# Altium PCB PCB.PcbDoc (part 2 of 4)
Units mm, origin at the board's own origin, x right, y up, seen from the top; angles counter-clockwise.
Board outline 120 x 75 mm, 4 copper layers (Top, GND 1, Power 2, Bottom), stack 1.586 mm thick; 171 components, 182 nets, 885 pads, 530 vias.
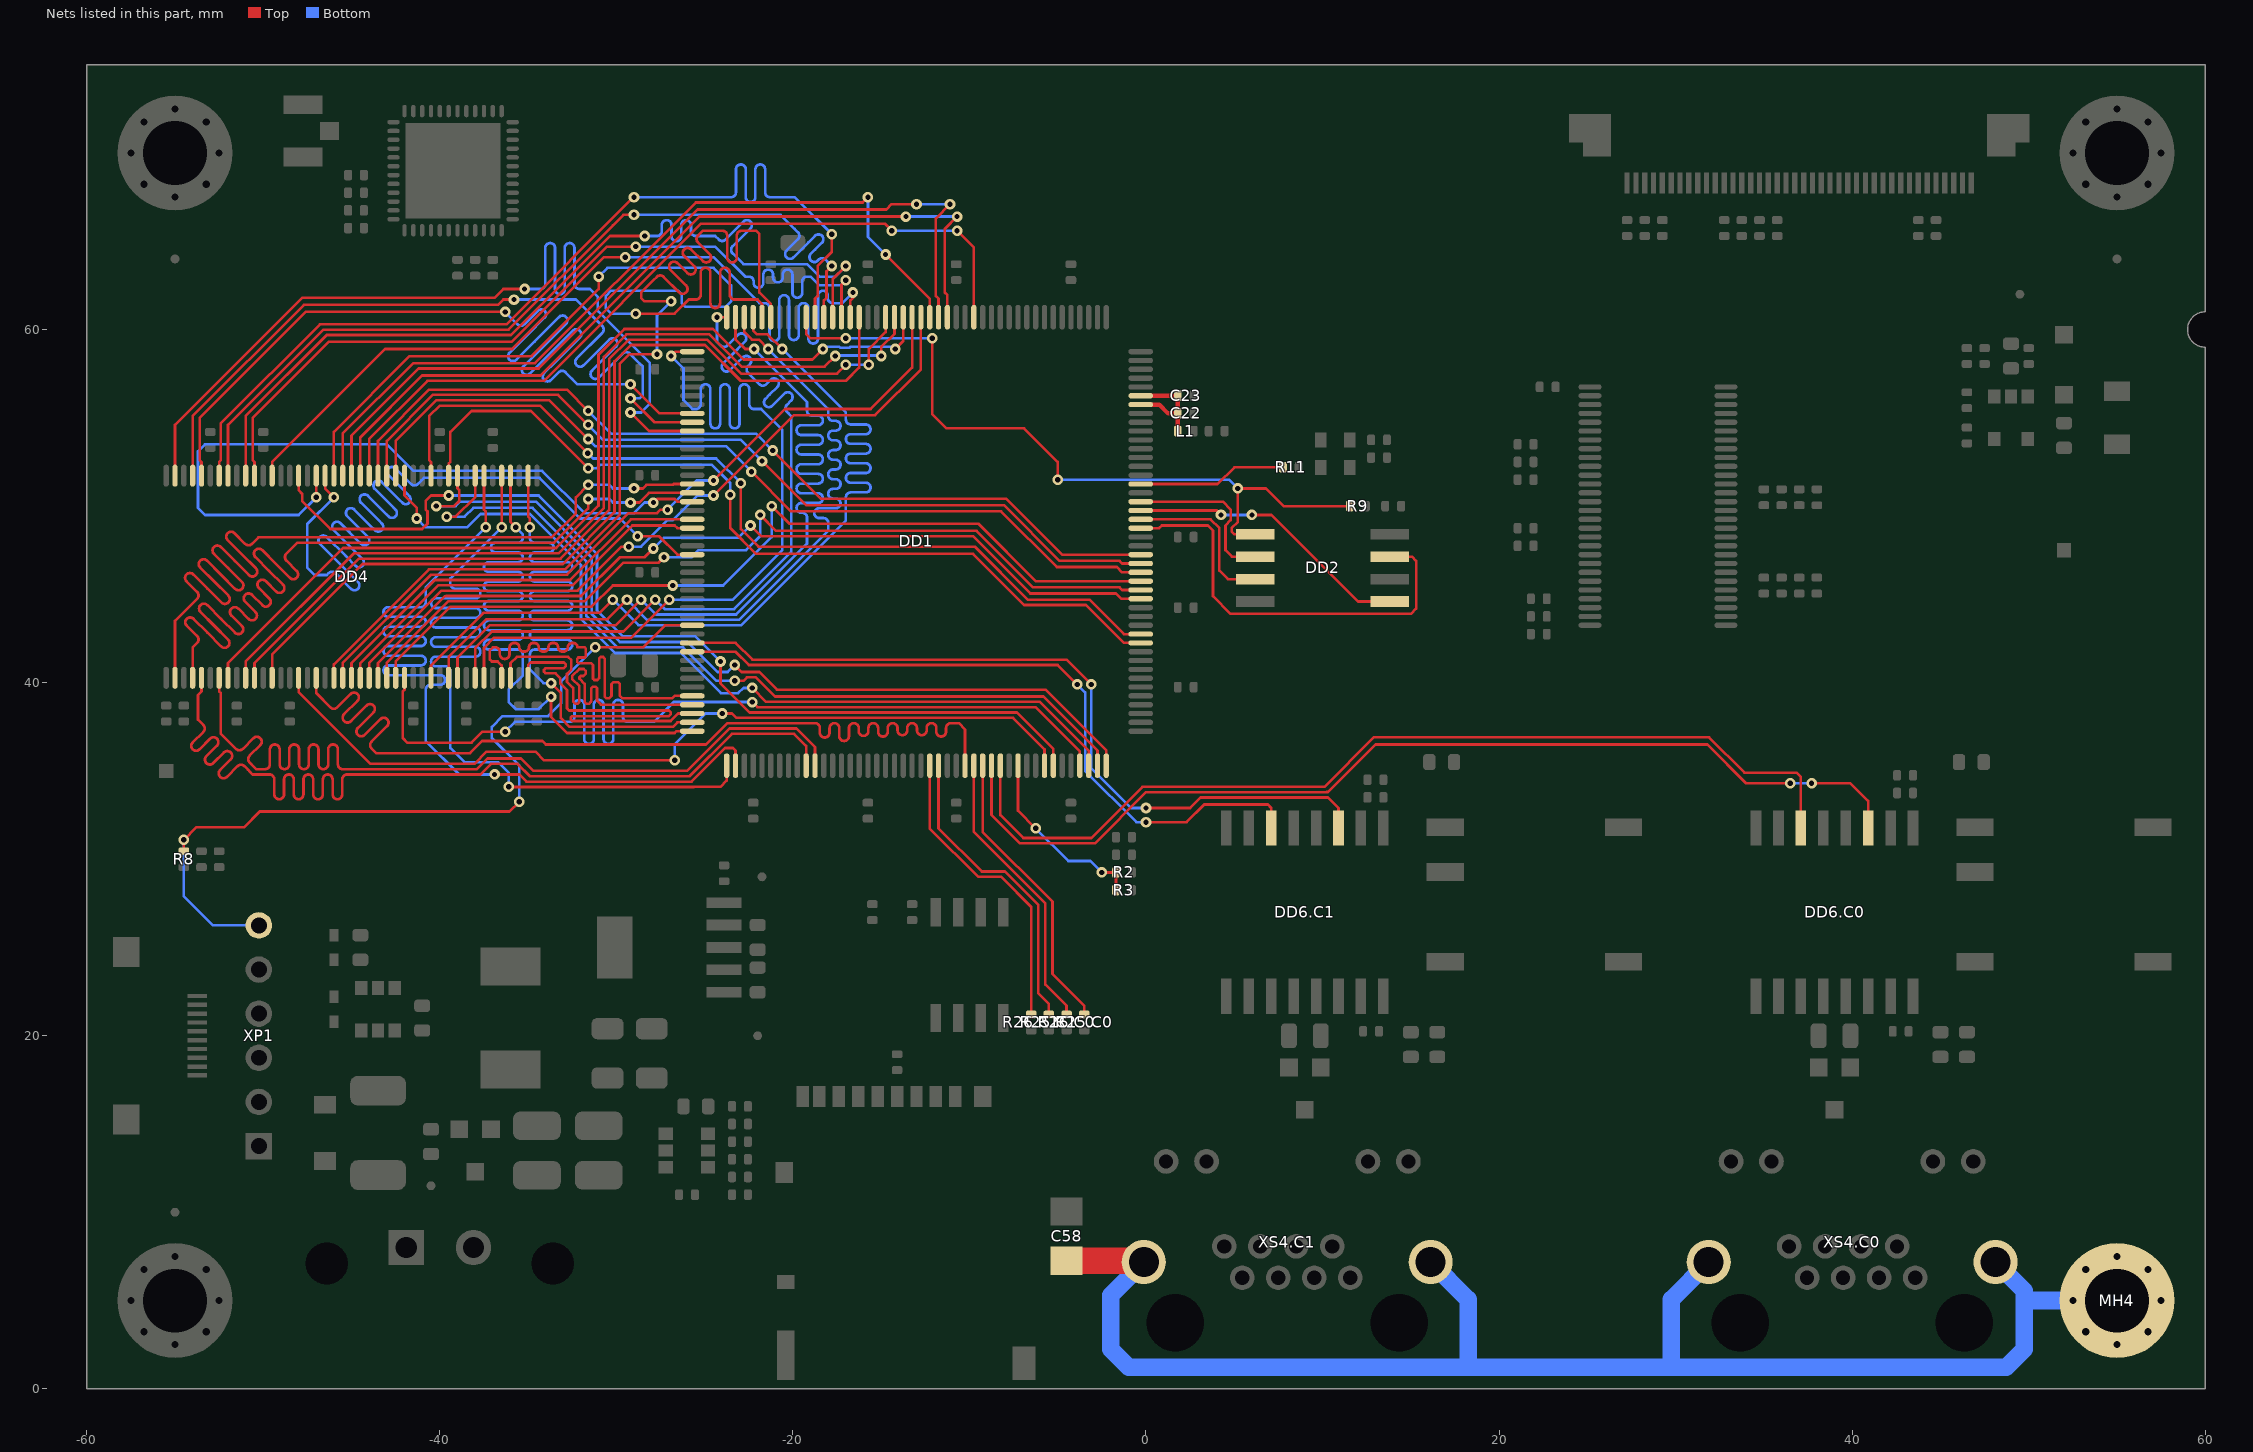
[diagram p4: the nets of this part, all layers, seen from the top]

## Part data (continued)
VT1: library part IRLML0030TRPBF, D-S On-Resistance=0.04omh, D-S Voltage=30V, Drain Current=5.3A, Gate Capacitance=382pF, Gate Threshold Voltage=2.3V, Manufacturer="International Rectifier", Total Power Dissipation=1.3W, Working Temperature Max=+150°С, Working Temperature Min=-55°С, Application Category=1, ClassName=DirectConnect, ID=27, Part Number=IRLML0030TRPBF, Published=24.09.2010, Publisher="Andrew Danich", Type=Транзистор
XP1: library part CWF-6R, Limit Current=3A, Limit Voltage=250V, Manufacturer="Ningbo Zhenqin Electronic", Working Temperature Max=+90°С, Working Temperature Min=-30°С, Application Category=1, Connector Type=Male, Functional Analog="DS1069-6 MR", ID=128, Part Number=CWF-6R, Pins=6, Pitch=2.5mm, Published=07.03.2013, Publisher="Andrew Danich", Surface Finish="Phosphor Bronze", Type=Вилка
XP2: library part 1827868, Limit Current=8A, Limit Voltage=300V, Manufacturer="Phoenix Contact", Working Temperature Max=+100°С, Working Temperature Min=-40°С, Application Category=1, ClassName=DirectConnect, Functional Analog="ECH381RM-02P, WJ15EDGRM-3.81-2P", ID=23, Part Number=1827868, Pins=2, Pitch=3.81mm, Published=07.03.2013, Publisher="Andrew Danich", Surface Finish="Brass, tin-plated", Type=Вилка, Wire Range=-
XS1: library part XF2M-1015-1A, Limit Current=500mA, Limit Voltage=50V, Manufacturer="Omron Electronics", Resistance=0.05ohm, Working Temperature Max=+85°С, Working Temperature Min=-30°С, Application Category=1, Connector Type=Female, ID=7, Part Number=XF2M-1015-1A, Pins=10, Pitch=0.5mm, Published=07.09.2015, Publisher="Viktor Klishin", Series=FPC, Type=Розетка
XS2: Limit Voltage=125V, Manufacturer="Hirose Connector", Working Temperature Max=+85°С, Working Temperature Min=-25°С, Application Category=1, Connector Type="microSD Card", ID=5, Interface=SPI\SDIO, Part Number=DM3AT-SF-PEJM5, Pins=10, Pitch=1.1mm, Published=14.03.2019, Publisher="Andrew Danich", Style=Push-Push, Type=Розетка
XS3: library part 54104-4031, Limit Current=500mA, Limit Voltage=50V, Manufacturer=Molex, Working Temperature Max=+85°С, Working Temperature Min=-20°С, Application Category=1, Connector Type=Female, ID=13, Part Number=54104-4031, Pins=40, Pitch=0.5mm, Published=17.03.2018, Publisher="Andrew Danich", Series=FFC\FPC, Type=Розетка
XS4.C0 XS4.C1: library part 615008137421, Limit Current=1.5A, Limit Voltage=120V, Manufacturer="Wurth Elektronik", Working Temperature Max=+85°С, Working Temperature Min=-40°С, Application Category=1, Functional Analog="DS1128-09-S8B8S, TJ18-L8P8C-5", ID=43, Interface=Ethernet/Int.Trans., Leds=Yellow/Green, Max Data Rate=1Gbs, Part Number=615008137421, Pins=12, PoE=Yes, Published=20.05.2020, Publisher="Andrew Danich", Type=Розетка
XW1: library part 1909763-1, Frequency Band=6GHz, Manufacturer="TE Connectivity", Wave Resistance=50ohm, Working Temperature Max=+90°С, Working Temperature Min=-40°С, Application Category=1, ClassName=DirectConnect, Connector Type=Male, ID=3, Part Number=1909763-1, Pins=3, Published=19.09.2015, Publisher="НТЦ \"Вектор\"", Surface Finish=Gold, Type=Вилка

## Via types
v1: diameter 0.6, hole 0.3, Top to Bottom, tented both sides, 505 vias
v2: diameter 0.6, hole 0.3, Top to Bottom, 25 vias

## Nets (pads, with @x,y where several pads share a name; then routed paths per layer and width w, separated by ;. In a path a pad name is that pad's centre, name@x,y a point inside that pad or via, vN(x,y) a via of type N, cw(c..) or ccw(c..) an arc to the next point about the centre after c; other vN are vias at no path point)
ADDR0: DD1.16 DD4.25 | length 49
  Top w0.15: DD4.25@-43.5,40.275 -43.5,41.1 -39.7,44.9 -39.655,44.9 -39.651,44.905 -31.995,44.905 -29.798,47.102 -28.398,47.102 v1(-27.9,47.6) ; v1(-22.4,48.9) -21.8,48.3 -9.8,48.3 -6.55,45.05 -1.7,45.05 -1.4,44.75 DD1.16@-0.3,44.75
  Bottom w0.15: v1(-27.9,47.6) -27.3,48.2 -23.1,48.2 v1(-22.4,48.9)
ADDR1: DD1.17 DD4.26 | length 49.5
  Top w0.15: DD4.26@-43,40.275 -43,41.128 -39.525,44.602 -31.798,44.602 -29.6,46.8 -27.6,46.8 v1(-27.3,47.1) ; v1(-21.85,49.5) -20.952,48.602 -9.602,48.602 -6.4,45.4 -1.5,45.4 -1.35,45.25 DD1.17@-0.3,45.25
  Bottom w0.15: v1(-27.3,47.1) -25.75,47.1 -25.35,47.5 -22.65,47.5 -21.85,48.3 v1(-21.85,49.5)
ADDR2: DD1.18 DD4.27 | length 49.6
  Top w0.15: DD4.27@-42.5,40.275 -42.5,41.2 -39.4,44.3 -31.4,44.3 -30.2,45.5 v1(-26.8,45.5) ; v1(-21.2,50) -20.2,49 -9.5,49 -6.25,45.75 DD1.18@-0.3,45.75
  Bottom w0.15: v1(-26.8,45.5) -23.95,45.5 -21.2,48.25 v1(-21.2,50)
ADDR3: DD1.19 DD4.60 | length 49.2
  Top w0.15: DD4.60@-42.5,51.725 -42.5,53.7 -40.205,55.995 -33.795,55.995 v1(-31.6,53.8) ; v1(-22.35,51.95) -20.1,49.7 -8.2,49.7 -5.05,46.55 -1.65,46.55 -1.35,46.25 DD1.19@-0.3,46.25
  Bottom w0.15: v1(-31.6,53.8) -31.2,53.4 -23.8,53.4 v1(-22.35,51.95)
ADDR4: DD1.20 DD4.61 | length 49.7
  Top w0.15: DD4.61@-43,51.725 -43,53.7 -40.402,56.298 -33.298,56.298 v1(-31.6,54.6) ; v1(-21.75,52.55) -19.25,50.05 -8.05,50.05 -4.9,46.9 -1.5,46.9 -1.35,46.75 DD1.20@-0.3,46.75
  Bottom w0.15: v1(-31.6,54.6) -30.75,53.75 -22.95,53.75 v1(-21.75,52.55)
ADDR5: DD1.21 DD4.62 | length 50.2
  Top w0.15: DD4.62@-43.5,51.725 -43.5,53.7 -40.6,56.6 -32.8,56.6 v1(-31.6,55.4) ; v1(-21.15,53.15) -18.407,50.407 -7.907,50.407 -4.75,47.25 DD1.21@-0.3,47.25
  Bottom w0.15: v1(-31.6,55.4) -30.3,54.1 -22.1,54.1 v1(-21.15,53.15)
ADDR6: DD1.60 DD4.63 | length 46
  Top w0.15: DD4.63@-44,51.725 -44,53.8 -40.702,57.098 -34.102,57.098 -25.202,65.998 -14.798,65.998 v1(-14.4,65.6) ; v1@-14.4,65.5 v1@-14.25,65.5 ; v1(-10.7,65.6) -9.75,64.65 DD1.60@-9.75,60.7
  Bottom w0.15: v1(-14.4,65.6) v1(-10.7,65.6)
ADDR7: DD1.63 DD4.64 | length 47.2
  Top w0.15: DD4.64@-44.5,51.725 -44.5,53.9 -41,57.4 -34.3,57.4 -25.3,66.4 v1(-13.6,66.4) ; DD1.63@-11.25,60.7 -11.25,61.95 -11.4,62.1 -11.4,65.7 v1(-10.7,66.4)
  Bottom w0.15: v1(-13.6,66.4) v1(-10.7,66.4)
ADDR8: DD1.64 DD4.65 | length 48.4
  Top w0.15: DD4.65@-45,51.725 -45,54 -41.202,57.798 -34.402,57.798 -25.4,66.8 -14.704,66.8 -14.404,67.1 v1(-13,67.1) ; DD1.64@-11.75,60.7 -11.75,61.75 -11.9,61.9 -11.9,66.3 v1(-11.1,67.1)
  Bottom w0.15: v1(-13,67.1) v1(-11.1,67.1)
ADDR9: DD1.65 DD4.66 | length 45.9
  Top w0.15: DD4.66@-45.5,51.725 -45.5,54.1 -41.5,58.1 -34.6,58.1 -25.5,67.2 -16.05,67.2 v1(-15.75,67.5) ; v1(-14.75,64.25) -12.25,61.75 DD1.65@-12.25,60.7
  Bottom w0.15: v1(-15.75,67.5) -15.75,65.25 v1(-14.75,64.25)
ADDR10: DD1.66 DD4.24 | length 41.9
  Top w0.15: DD4.24@-44,40.275 -44,41.1 -39.893,45.207 -32.193,45.207 -29.7,47.7 v1(-29.3,47.7) ; v1(-24.5,50.6) -19.95,55.15 -15.35,55.15 -12.75,57.75 DD1.66@-12.75,60.7
  Bottom w0.15: v1(-29.3,47.7) -28.6,47.7 -27.1,49.2 -26.8,49.2 -25.4,50.6 v1(-24.5,50.6)
ADDR11: DD1.67 DD4.21 | length 42.9
  Top w0.15: DD4.21@-45.5,40.275 -45.5,41.1 -40.486,46.114 -32.786,46.114 -29.3,49.6 -27.7,49.6 -27.5,49.8 v1(-27.1,49.8) ; v1(-24.5,51.45) -20.45,55.5 -15.6,55.5 -13.25,57.85 DD1.67@-13.25,60.7
  Bottom w0.15: v1(-27.1,49.8) -25.45,51.45 v1(-24.5,51.45)
ADDR12: DD1.106 DD4.69 | length 41.9
  Top w0.15: v1(-47,50.5) DD4.69@-47,51.725 ; v1(-27.9,50.2) -27.7,50.4 -26.7,50.4 -26.55,50.25 DD1.106@-25.7,50.25
  Bottom w0.15: v1(-47,50.5) -48,49.5 -53.3,49.5 -53.7,49.9 -53.7,53.1 -53.3,53.5 -43,53.5 -41.5,52 -34.2,52 -31.8,49.6 -29,49.6 -28.4,50.2 v1(-27.9,50.2)
AVCC3P3: C22.1 C23.1 DD1.38 DD1.39 L1.2 | length 6.4
  Top w0.25: DD1.38@-0.3,55.75 0.75,55.75 1.25,55.25 C22.1@1.8,55.25 ; DD1.39@-0.3,56.25 C23.1@1.8,56.25 C22.1@1.8,55.25 ; L1.2@1.798,54.25 1.8,54.252 C22.1@1.8,55.25
BA0: DD1.108 DD4.22 | length 23.5
  Top w0.15: DD4.22@-45,40.275 -45,41.1 -40.288,45.812 -32.616,45.812 -29.178,49.25 DD1.108@-25.7,49.25
BA1: DD1.109 DD4.23 | length 22.9
  Top w0.15: DD4.23@-44.5,40.275 -44.5,41.1 -40.09,45.51 -32.49,45.51 -29.1,48.9 -26.7,48.9 -26.55,48.75 DD1.109@-25.7,48.75
BOOT0: DD1.166 R2.1 R3.1 | length 10.5
  Top w0.15: DD1.166@-7.25,35.3 -7.25,32.75 v1(-6.25,31.75) ; v1(-2.5,29.25) R2.1@-1.7,29.25 R3.1@-1.7,28.25
  Bottom w0.15: v1(-6.25,31.75) -4.4,29.9 -3.15,29.9 v1(-2.5,29.25)
CAN_GLED0: DD1.162 R25.C0.1 | length 16.5
  Top w0.15: DD1.162@-9.25,35.3 -9.25,31.55 -5.3,27.6 -5.3,23.5 -3.5,21.7 R25.C0.1@-3.5,21.2
CAN_GLED1: DD1.157 R25.C1.1 | length 17.5
  Top w0.15: DD1.157@-11.75,35.3 -11.75,31.75 -9.3,29.3 -8,29.3 -6.1,27.4 -6.1,22.4 -5.5,21.8 R25.C1.1@-5.5,21.2
CAN_RX0: DD1.163 DD6.C0.3 | length 58.3
  Top w0.15: DD1.163@-8.75,35.3 -8.75,32.5 -7.15,30.9 -2.9,30.9 -0.002,33.798 10.225,33.798 10.23,33.802 10.302,33.802 13,36.5 31.8,36.5 34,34.3 v1(36.5,34.3) ; v1(37.7,34.3) 39.9,34.3 40.905,33.295 DD6.C0.3@40.905,31.762
  Bottom w0.15: v1(36.5,34.3) v1(37.7,34.3)
CAN_RX1: DD1.122 DD6.C1.3 | length 44.9
  Top w0.15: DD1.122@-25.7,42.25 -23.25,42.25 -22.302,41.302 -4.502,41.302 v1(-3.1,39.9) ; v1(0,32.9) 2.5,32.9 3.095,33.495 10.305,33.495 10.905,32.895 DD6.C1.3@10.905,31.762
  Bottom w0.15: v1(-3.1,39.9) -3.1,35.15 -0.85,32.9 v1(0,32.9)
CAN_TX0: DD1.164 DD6.C0.6 | length 54.9
  Top w0.15: DD1.164@-8.25,35.3 -8.25,32.5 -6.952,31.202 -3.098,31.202 -0.2,34.1 10.1,34.1 12.9,36.9 31.9,36.9 33.9,34.9 36.85,34.9 37.095,34.655 DD6.C0.6@37.095,31.762
CAN_TX1: DD1.123 DD6.C1.6 | length 41
  Top w0.15: DD1.123@-25.7,41.75 -23.25,41.75 -22.5,41 -5,41 v1(-3.9,39.9) ; v1(0,32.1) 2.3,32.1 3.3,33.1 6.9,33.1 7.095,32.905 DD6.C1.6@7.095,31.762
  Bottom w0.15: v1(-3.9,39.9) -3.45,39.45 -3.45,35 -0.55,32.1 v1(0,32.1)
CAN_YLED0: DD1.161 R26.C0.1 | length 16.3
  Top w0.15: DD1.161@-9.75,35.3 -9.75,31.55 -5.7,27.5 -5.7,22.9 -4.5,21.7 R26.C0.1@-4.5,21.2
CAN_YLED1: DD1.156 R26.C1.1 | length 17.2
  Top w0.15: DD1.156@-12.25,35.3 -12.25,31.75 -9.5,29 -9.428,29 -9.425,28.998 -8.198,28.998 -6.5,27.3 R26.C1.1@-6.5,21.2
CAS_N: DD1.160 DD4.18 | length 58.6
  Top w0.15: DD4.18@-47,40.275 -47,39.4 -46.2,38.6 ccw(c-46.006,38.794) -45.811,38.6 -45.054,39.357 cw(c-44.859,39.163) -44.665,39.357 cw(c-44.859,39.163) -44.665,38.969 -45.422,38.211 ccw(c-45.228,38.017) -45.422,37.822 ccw(c-45.228,38.017) -45.033,37.822 -44.149,38.706 cw(c-43.955,38.512) -43.76,38.706 cw(c-43.955,38.512) -43.76,38.317 -44.644,37.433 ccw(c-44.45,37.239) -44.644,37.044 ccw(c-44.45,37.239) -44.255,37.044 -43.372,37.928 cw(c-43.177,37.734) -42.983,37.928 cw(c-43.177,37.734) -42.983,37.539 -43.867,36.655 ccw(c-43.672,36.461) -43.867,36.267 -43.672,36.072 -43.607,36.007 -43.6,36.007 -38.293,36.007 -37.602,36.698 -34.198,36.698 -33.998,36.498 -24.919,36.498 -23.712,37.705 -19.3,37.705 -19.025,37.705 -18.75,37.705 cw(c-18.75,37.43) -18.475,37.43 -18.475,37.164 ccw(c-18.2,37.164) -18.2,36.889 ccw(c-18.2,37.164) -17.925,37.164 -17.925,37.43 cw(c-17.65,37.43) -17.65,37.705 cw(c-17.65,37.43) -17.375,37.43 -17.375,36.97 ccw(c-17.1,36.97) -17.1,36.695 ccw(c-17.1,36.97) -16.825,36.97 -16.825,37.43 cw(c-16.55,37.43) -16.55,37.705 cw(c-16.55,37.43) -16.275,37.43 -16.275,37.262 ccw(c-16,37.262) -16,36.987 ccw(c-16,37.262) -15.725,37.262 -15.725,37.43 cw(c-15.45,37.43) -15.45,37.705 cw(c-15.45,37.43) -15.175,37.43 -15.175,37.222 ccw(c-14.9,37.222) -14.9,36.947 ccw(c-14.9,37.222) -14.625,37.222 -14.625,37.43 cw(c-14.35,37.43) -14.35,37.705 cw(c-14.35,37.43) -14.075,37.43 -14.075,37.301 ccw(c-13.8,37.301) -13.8,37.026 ccw(c-13.8,37.301) -13.525,37.301 -13.525,37.43 cw(c-13.25,37.43) -13.25,37.705 cw(c-13.25,37.43) -12.975,37.43 -12.975,37.301 ccw(c-12.7,37.301) -12.7,37.026 ccw(c-12.7,37.301) -12.425,37.301 -12.425,37.43 cw(c-12.15,37.43) -12.15,37.705 cw(c-12.15,37.43) -11.875,37.43 -11.875,37.222 ccw(c-11.6,37.222) -11.6,36.947 ccw(c-11.6,37.222) -11.325,37.222 -11.325,37.43 cw(c-11.05,37.43) -11.05,37.705 -10.775,37.705 -10.605,37.705 -10.25,37.35 DD1.160@-10.25,35.3
CKE: DD1.84 DD4.67 | length 56.6
  Top w0.15: DD4.67@-46,51.725 -46,54.2 -41.705,58.495 -34.805,58.495 -31,62.3 v1(-31,63) ; v1(-28.9,60.9) -26.7,60.9 -25.9,61.7 -25.5,61.7 ccw(c-25.5,61.975) -25.225,61.975 -25.225,63.225 cw(c-24.95,63.225) -24.95,63.5 cw(c-24.95,63.225) -24.675,63.225 -24.675,61.7 -24.675,61.496 ccw(c-24.4,61.496) -24.4,61.221 ccw(c-24.4,61.496) -24.125,61.496 -24.125,61.7 -24.125,63.225 cw(c-23.85,63.225) -23.85,63.5 cw(c-23.85,63.225) -23.575,63.225 -23.575,61.975 ccw(c-23.3,61.975) -23.3,61.7 -23.025,61.7 -22.8,61.7 -22,61.7 -21.75,61.45 DD1.84@-21.75,60.7
  Bottom w0.15: v1(-31,63) -30.5,63.5 -24.5,63.5 -23.5,62.5 -23.5,61.6 -23.8,61.3 -26.1,61.3 -26.3,61.5 -26.3,62 -26.5,62.2 -30.3,62.2 -30.6,61.9 -30.6,61.2 -30.3,60.9 v1(-28.9,60.9)
CLK: DD1.112 DD4.68 | length 59.6
  Top w0.15: DD4.68@-46.5,51.725 -46.5,51 v1(-46,50.5) ; v1(-28.8,48.3) -27.6,48.3 -26.55,47.25 DD1.112@-25.7,47.25
  Bottom w0.15: v1(-46,50.5) -47.5,49 -47.5,46.5 -47.1,46.1 -46.4,46.1 -46.3,46.2 cw(c-46.106,46.006) -45.911,46.2 -45.027,45.316 ccw(c-44.833,45.511) -44.638,45.316 ccw(c-44.833,45.511) -44.638,45.705 -45.717,46.783 -46.795,47.862 cw(c-46.601,48.056) -46.795,48.251 cw(c-46.601,48.056) -46.406,48.251 -45.328,47.172 -44.772,46.616 ccw(c-44.577,46.811) -44.383,46.616 ccw(c-44.577,46.811) -44.383,47.005 -44.939,47.561 -46.017,48.64 cw(c-45.823,48.834) -46.017,49.028 cw(c-45.823,48.834) -45.628,49.028 -44.55,47.95 -44.458,47.858 ccw(c-44.264,48.053) -44.069,47.858 ccw(c-44.264,48.053) -44.069,48.247 -44.161,48.339 -45.239,49.417 cw(c-45.045,49.612) -45.239,49.806 cw(c-45.045,49.612) -44.85,49.806 -43.772,48.728 -43.68,48.636 ccw(c-43.486,48.831) -43.291,48.636 ccw(c-43.486,48.831) -43.291,49.025 -43.383,49.117 -44.462,50.195 cw(c-44.267,50.39) -44.462,50.584 cw(c-44.267,50.39) -44.073,50.584 -42.994,49.506 -42.903,49.414 ccw(c-42.708,49.608) -42.514,49.414 ccw(c-42.708,49.608) -42.514,49.803 -42.605,49.895 -43.684,50.973 cw(c-43.489,51.167) -43.684,51.362 cw(c-43.489,51.167) -43.295,51.362 -42.216,50.284 -42.125,50.192 ccw(c-41.93,50.386) -41.736,50.192 ccw(c-41.93,50.386) -41.736,50.581 -41.828,50.672 -42.906,51.751 cw(c-42.711,51.945) -42.906,52.14 cw(c-42.711,51.945) -42.517,52.14 -41.633,51.256 ccw(c-41.439,51.45) -41.244,51.256 -41.05,51.45 -40.9,51.6 -39.355,51.6 -39.351,51.605 -34.355,51.605 -32.048,49.298 -29.798,49.298 v1(-28.8,48.3)
CLK_50M: DD1.29 R11.2 | length 8.4
  Top w0.15: DD1.29@-0.3,51.25 4.05,51.25 5,52.2 R11.2@7.75,52.2
CS_N: DD1.83 DD4.20 | length 60.9
  Top w0.15: DD4.20@-46,40.275 -46,41.028 -40.611,46.417 -32.911,46.417 -29.8,49.528 -29.8,58.072 -29.272,58.6 v1(-27.7,58.6) ; v1(-26.9,61.6) -28.4,61.6 -28.6,61.8 -28.6,62.1 -28.1,62.6 -27.906,62.794 -27.711,62.989 cw(c-27.517,62.794) -27.322,62.989 -26.438,62.105 ccw(c-26.244,62.299) -26.049,62.105 ccw(c-26.244,62.299) -26.049,62.494 -26.933,63.378 cw(c-26.739,63.572) -26.933,63.767 cw(c-26.739,63.572) -26.544,63.767 -25.979,63.202 ccw(c-25.785,63.396) -25.591,63.202 ccw(c-25.785,63.396) -25.591,63.591 -26.155,64.156 cw(c-25.961,64.35) -26.155,64.545 cw(c-25.961,64.35) -25.767,64.545 -25.104,63.882 ccw(c-24.91,64.076) -24.715,63.882 ccw(c-24.91,64.076) -24.715,64.271 -25.378,64.933 cw(c-25.183,65.128) -25.378,65.322 -25.35,65.35 -25.1,65.6 -24,65.6 cw(c-24,65.325) -23.725,65.325 -23.725,64.075 ccw(c-23.45,64.075) -23.45,63.8 ccw(c-23.45,64.075) -23.175,64.075 -23.175,65.325 cw(c-22.9,65.325) -22.9,65.6 -22.1,65.6 -21.9,65.4 -21.9,62.1 -21.25,61.45 DD1.83@-21.25,60.7
  Bottom w0.15: v1(-27.7,58.6) -27.7,60.8 v1(-26.9,61.6)
DATA0: DD1.104 DD4.2 | length 54.1
  Top w0.15: DD4.2@-55,40.275 -55,43.5 -53.75,44.75 ccw(c-53.944,44.944) -53.75,45.139 -54.351,45.74 cw(c-54.157,45.934) -54.351,46.129 cw(c-54.157,45.934) -53.962,46.129 -53.167,45.333 -52.371,44.538 ccw(c-52.177,44.732) -51.982,44.538 ccw(c-52.177,44.732) -51.982,44.927 -52.778,45.722 -53.573,46.518 cw(c-53.379,46.712) -53.573,46.907 cw(c-53.379,46.712) -53.184,46.907 -52.389,46.111 -51.593,45.316 ccw(c-51.399,45.51) -51.204,45.316 ccw(c-51.399,45.51) -51.204,45.705 -52,46.5 -52.795,47.296 cw(c-52.601,47.49) -52.795,47.684 cw(c-52.601,47.49) -52.407,47.684 -51.611,46.889 -50.816,46.093 ccw(c-50.621,46.288) -50.427,46.093 ccw(c-50.621,46.288) -50.427,46.482 -51.222,47.278 -52.018,48.073 cw(c-51.823,48.268) -52.018,48.462 cw(c-51.823,48.268) -51.629,48.462 -51.028,47.861 ccw(c-50.833,48.056) -50.639,47.861 -50.444,48.056 -50.269,48.231 -50.2,48.231 -33.662,48.231 -32.3,49.594 -32.3,50.5 v1(-31.6,51.2) ; v1(-29,51) -28.5,51 -28.3,51.2 -26.8,51.2 -26.75,51.25 DD1.104@-25.7,51.25
  Bottom w0.15: v1(-31.6,51.2) -30.4,51.2 -30.2,51 v1(-29,51)
DATA1: DD1.105 DD4.4 | length 55.9
  Top w0.15: DD4.4@-54,40.275 -54,42 -53.75,42.25 ccw(c-53.944,42.444) -53.75,42.639 -54.337,43.226 cw(c-54.143,43.421) -54.337,43.615 cw(c-54.143,43.421) -53.948,43.615 -53.167,42.833 -52.385,42.052 ccw(c-52.19,42.246) -51.996,42.052 ccw(c-52.19,42.246) -51.996,42.441 -52.778,43.222 -53.559,44.004 cw(c-53.365,44.198) -53.559,44.393 cw(c-53.365,44.198) -53.171,44.393 -52.389,43.611 -51.607,42.829 ccw(c-51.413,43.024) -51.218,42.829 ccw(c-51.413,43.024) -51.218,43.218 -51.805,43.806 cw(c-51.611,44) -51.805,44.195 cw(c-51.611,44) -51.417,44.195 -50.829,43.607 ccw(c-50.635,43.802) -50.44,43.607 ccw(c-50.635,43.802) -50.44,43.996 -51.028,44.583 cw(c-50.833,44.778) -51.028,44.972 cw(c-50.833,44.778) -50.639,44.972 -50.051,44.385 ccw(c-49.857,44.58) -49.663,44.385 ccw(c-49.857,44.58) -49.663,44.774 -50.25,45.361 cw(c-50.055,45.556) -50.25,45.75 cw(c-50.055,45.556) -49.861,45.75 -49.274,45.163 ccw(c-49.079,45.357) -48.885,45.163 ccw(c-49.079,45.357) -48.885,45.552 -49.666,46.334 -50.448,47.115 cw(c-50.254,47.31) -50.448,47.504 cw(c-50.254,47.31) -50.059,47.504 -49.278,46.722 -48.496,45.941 ccw(c-48.301,46.135) -48.107,45.941 ccw(c-48.301,46.135) -48.107,46.33 -48.694,46.917 cw(c-48.5,47.111) -48.694,47.306 -48.5,47.5 -48.071,47.929 -33.537,47.929 -31.6,49.866 v1(-31.6,50.4) ; v1(-29.2,50.2) -28.7,50.2 -28.15,50.75 DD1.105@-25.7,50.75
  Bottom w0.15: v1(-31.6,50.4) -30.4,50.4 -30.2,50.2 v1(-29.2,50.2)
DATA2: DD1.142 DD4.5 | length 57.4
  Top w0.15: DD4.5@-53.5,40.275 -53.5,39.5 -53.7,39.3 -53.7,37.9 -53.4,37.6 cw(c-53.594,37.406) -53.4,37.211 -54.001,36.61 ccw(c-53.807,36.416) -54.001,36.221 ccw(c-53.807,36.416) -53.612,36.221 -53.011,36.822 cw(c-52.817,36.628) -52.622,36.822 cw(c-52.817,36.628) -52.622,36.433 -53.223,35.832 ccw(c-53.029,35.638) -53.223,35.443 ccw(c-53.029,35.638) -52.834,35.443 -52.233,36.044 cw(c-52.039,35.85) -51.844,36.044 cw(c-52.039,35.85) -51.844,35.655 -52.445,35.054 ccw(c-52.251,34.86) -52.445,34.666 ccw(c-52.251,34.86) -52.057,34.666 -51.455,35.267 cw(c-51.261,35.072) -51.067,35.267 -50.872,35.072 -50.75,34.95 -50.6,34.8 -50.528,34.8 -50.525,34.798 -50.2,34.798 -49.925,34.798 -49.65,34.798 cw(c-49.65,34.523) -49.375,34.523 -49.375,33.673 ccw(c-49.1,33.673) -49.1,33.398 ccw(c-49.1,33.673) -48.825,33.673 -48.825,34.523 cw(c-48.55,34.523) -48.55,34.798 cw(c-48.55,34.523) -48.275,34.523 -48.275,33.673 ccw(c-48,33.673) -48,33.398 ccw(c-48,33.673) -47.725,33.673 -47.725,34.523 cw(c-47.45,34.523) -47.45,34.798 cw(c-47.45,34.523) -47.175,34.523 -47.175,33.673 ccw(c-46.9,33.673) -46.9,33.398 ccw(c-46.9,33.673) -46.625,33.673 -46.625,34.523 cw(c-46.35,34.523) -46.35,34.798 cw(c-46.35,34.523) -46.075,34.523 -46.075,33.673 ccw(c-45.8,33.673) -45.8,33.398 ccw(c-45.8,33.673) -45.525,33.673 -45.525,34.523 cw(c-45.25,34.523) -45.25,34.798 -44.975,34.798 -44.9,34.798 -37.702,34.798 -37.102,35.398 -35.598,35.398 -34.898,34.698 -25.864,34.698 -23.461,37.1 -19.928,37.1 -19.25,36.422 DD1.142@-19.25,35.3
DATA3: DD1.143 DD4.7 | length 52.4
  Top w0.15: DD4.7@-52.5,40.275 -52.5,39.5 -52.4,39.4 -52.4,37.1 -51.55,36.25 ccw(c-51.356,36.444) -51.161,36.25 -50.56,36.851 cw(c-50.366,36.657) -50.171,36.851 cw(c-50.366,36.657) -50.171,36.462 -50.772,35.861 ccw(c-50.578,35.667) -50.772,35.472 -50.7,35.4 -50.4,35.1 -49.9,35.1 ccw(c-49.9,35.375) -49.625,35.375 -49.625,36.225 cw(c-49.35,36.225) -49.35,36.5 cw(c-49.35,36.225) -49.075,36.225 -49.075,35.375 ccw(c-48.8,35.375) -48.8,35.1 ccw(c-48.8,35.375) -48.525,35.375 -48.525,36.225 cw(c-48.25,36.225) -48.25,36.5 cw(c-48.25,36.225) -47.975,36.225 -47.975,35.375 ccw(c-47.7,35.375) -47.7,35.1 ccw(c-47.7,35.375) -47.425,35.375 -47.425,36.225 cw(c-47.15,36.225) -47.15,36.5 cw(c-47.15,36.225) -46.875,36.225 -46.875,35.375 ccw(c-46.6,35.375) -46.6,35.1 ccw(c-46.6,35.375) -46.325,35.375 -46.325,36.225 cw(c-46.05,36.225) -46.05,36.5 cw(c-46.05,36.225) -45.775,36.225 -45.775,35.375 ccw(c-45.5,35.375) -45.5,35.1 -45.225,35.1 -44.8,35.1 -37.9,35.1 -37.3,35.7 -35.4,35.7 -34.7,35 -25.989,35 -23.587,37.402 -19.802,37.402 -18.75,36.35 DD1.143@-18.75,35.3